# Altium PCB DIOT_temperature_logger.PcbDoc (part 3 of 8) (continued)
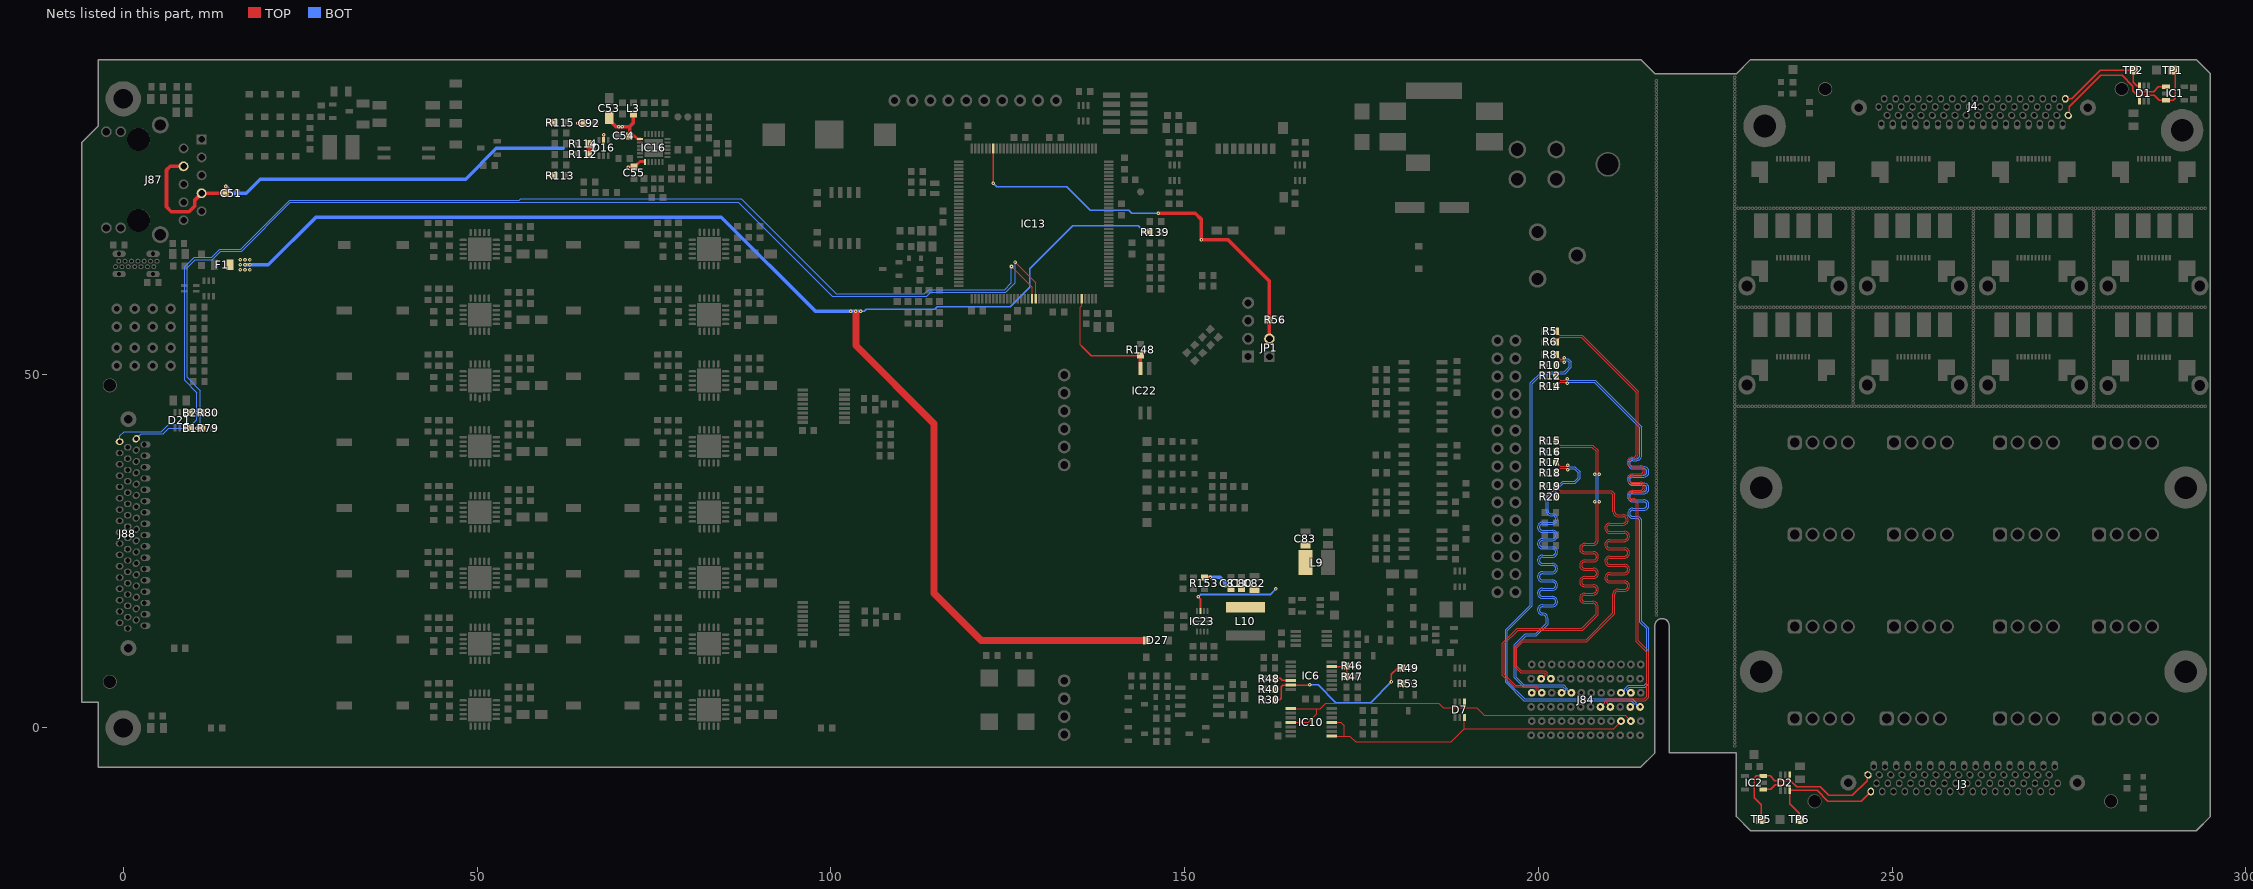
[diagram p5: the nets of this part, all layers, seen from the top]
## Part data (continued)
R143 R145 R150: library part R0603_82K_1%_0.1W_100PPM, "Resistor - 1%", Case=0603, Manufacturer=GENERIC, Manufacturer1 ComponentHeight=0.55mm, Manufacturer1 Example="NIC COMPONENT", Manufacturer1 Part Number=NRC06F8202TRF, Power=0.1W, Tolerance=±1%, Author="CERN DEM JLC", Component Type=Standard, CreateDate=03.12.2007, HelpURL=\\cern.ch\dfs\Applications\Altium\Datasheets\R0603_NIC_NRC.pdf, LatestRevisionDate=13.03.2008, Manufacturer Part Number=R0603_82K_1%_0.1W_100PPM, Mounted=Yes, Part Description="General Purpose Thick Film Chip Resistor", Part Number=R0603_82K_1%_0.1W_100PPM, Pin Count=2, PressFit=No, Sense=No, SMD=Yes, Socket=No, Status=Preferred, TC=±100ppm/°C
R147: library part R0805_10R_1%_0.125W_200PPM, "Resistor - 1%", Case=0805, Manufacturer=GENERIC, Manufacturer1 ComponentHeight=0.6mm, Manufacturer1 Example="NIC COMPONENT", Manufacturer1 Part Number=NRC10F10R0TRF, Power=0.125W, Tolerance=±1%, Author="CERN DEM JLC", Component Type=Standard, CreateDate=03.12.2007, HelpURL=\\cern.ch\dfs\Applications\Altium\Datasheets\R0805_NIC_NRC.pdf, LatestRevisionDate=24.06.2009, Manufacturer Part Number=R0805_10R_1%_0.125W_200PPM, Mounted=Yes, Part Description="General Purpose Thick Film Chip Resistor", Part Number=R0805_10R_1%_0.125W_200PPM, Pin Count=2, PressFit=No, Sense=No, SMD=Yes, Socket=No, Status=Preferred, TC=±200ppm/°C
R153: library part R0603_38K3_0.1%_0.063W_10PPM, "Resistor - 0.1%", Case=0603, Manufacturer=GENERIC, Manufacturer1 ComponentHeight=0.5mm, Manufacturer1 Example="TYCO HOLSWORTHY", Manufacturer1 Part Number=RN73C1J38K3BTDF, Power=0.063W, Tolerance=±0.1%, Author="CERN DEM JLC", Component Type=Standard, CreateDate=03.12.2007, HelpURL=\\cern.ch\dfs\Applications\Altium\Datasheets\R0603_Tyco_RN73.pdf, LatestRevisionDate=13.03.2008, Manufacturer Part Number=R0603_38K3_0.1%_0.063W_10PPM, Mounted=Yes, Part Description="Thin Film Chip Resistor", Part Number=R0603_38K3_0.1%_0.063W_10PPM, Pin Count=2, PressFit=No, Sense=No, SMD=Yes, Socket=No, Status="Not Recommended", TC=±10ppm
ST1: library part SCHROFF_PANEL_3U_4HP_Thermostat, "Schroff 3HP 4U EUROCARD Panel", Manufacturer=Schroff, Manufacturer Part Number=20818-017, Manufacturer Part Number 2=20848-664
SW1A SW1B SW1C SW1D SW1E SW1F SW1G SW1H SW1I SW1J SW1K SW1L SW1M SW1N SW1O SW1P: library part SW_OMRON_A6SN-1101, "1 Ways SPST DIP Switch", Manufacturer=OMRON, Manufacturer Part Number=A6SN-1101, Author="CERN DEM JLC", Component Type=Standard, ComponentHeight=4.6mm, CreateDate=25.02.2013, Family=Switch, HelpURL=\\cern.ch\dfs\Applications\Altium\Datasheets\SW_OMRON_A6SN-1101.pdf, LatestRevisionDate=25.02.2013, Mounted=Yes, PackageDescription="Body 4.48x7.5mm, 1 Way SPST Surface-Mounting Slide Switch With Flat Actuator (A6SN Series)", Part Description="1 Way SPST Surface-Mounting Slide Switch with Flat Actuator, Contact Rating 25mA 24VDC", Part Number=SW_OMRON_A6SN-1101, Pin Count=2, PressFit=No, Sense=No, SMD=Yes, Socket=No, Status=None
T1 T2 T4 T5 T6 T7: "N-CHANNEL MOSFET WITH DIODE", Case=SOT23-3, Manufacturer="ON SEMICONDUCTOR", Manufacturer Part Number=BSS138L, Author="CERN DEM JLC", Bonding=No, Component Type=Standard, ComponentHeight=1.11mm, CreateDate=23.03.2009, Device=BSS138LT1G, HelpURL=\\cern.ch\dfs\Applications\Altium\Datasheets\BSS138LT1G.pdf, LatestRevisionDate=25.05.2022, Mounted=Yes, PackageDescription="SOT23, 0.95mm Pitch; 3 Pin, 1.40mm W X 3.00mm L X 1.10mm H body, IPC Medium Density", Part Description="50V, 200mA N-Channel Enhancement Mode Field-Effect Transistor", Part Number=BSS138LT1G, Pin Count=3, PressFit=No, Sense=No, SMD=Yes, Socket=No
T3: "N-CHANNEL MOSFET WITH DIODE", Case=SOT23-3, Manufacturer="ON SEMICONDUCTOR", Author="CERN DEM BC", Bonding=No, Component Type=Standard, ComponentHeight=1.12mm, ComponentLink1Description="Package Drawing", ComponentLink1URL=\\cern.ch\dfs\Applications\Altium\Datasheets\FDN86246_Package.pdf, CreateDate=10.10.2019, Device=FDN86246, HelpURL=\\cern.ch\dfs\Applications\Altium\Datasheets\FDN86246.pdf, LatestRevisionDate=10.10.2019, Manufacturer Part Number=FDN86246, Mounted=Yes, PackageDescription="SOT23, 0.95mm Pitch; 3 Pin, 1.30mm W X 2.92mm L X 1.12mm H body, IPC Medium Density", Part Description="150V, 1.6A, N-Channel Power Trench® MOSFET", Part Number=FDN86246, Pin Count=3, PressFit=No, Sense=No, SMD=Yes, Socket=No
TP1 TP2 TP3 TP4 TP5 TP6 TP7 TP8 TP9 TP10 TP11 TP12 TP13 TP14 TP15 TP16: library part SMD_PAD_1.27X1.27MM, Author="CERN DEM JLC", Component Type="Standard (No BOM)", ComponentHeight=0mm, CreateDate=12.01.2008, Family="Test Point", HelpURL=Undefined, LatestRevisionDate=12.01.2008, Mounted=No, PackageDescription="1.27mm x 1.27mm PCB Copper Area (SMD Test Point)", Part Description="1.27mm x 1.27mm PCB Copper Area (SMD Test Point)", Part Number=SMD_PAD_1.27X1.27MM, Pin Count=1, Sense=No, SMD=Yes, Socket=No, Status=None
W1: library part SAMTEC_MTLW-110-07-L-S-250, "10 Mini Wire-Wrap Contact Strip Header", Manufacturer=SAMTEC, Manufacturer Part Number=MTLW-110-07-L-S-250, Author="CERN DEM JLC", ComponentHeight=7.87mm, Component Type=Standard, CreateDate=01.11.2017, Family="Header 10", HelpURL=\\cern.ch\dfs\Applications\Altium\Datasheets\SAMTEC_MTLW-110-07-L-S-250.pdf, LatestRevisionDate=01.11.2017, Mounted=Yes, Part Description="10 Contacts, Pitch 2.54mm, Single Row Through Mount Straight Header (Post Lead = 6.35mm, Tail Lead 3.05mm, Insulator 1.52mm)", Part Number=SAMTEC_MTLW-110-07-L-S-250, Pin Count=10, PressFit=No, Sense=No, SMD=No, Socket=No, Status=None
W2: library part SAMTEC_HTSW-104-23-L-S, "4 Mini Wire-Wrap Contact Strip Header", Manufacturer=SAMTEC, Manufacturer Part Number=HTSW-104-23-L-S, Author="CERN DEM JLC", Component Type=Standard, ComponentHeight=8.38mm, CreateDate=22.02.2018, Family="Header 4", HelpURL=\\cern.ch\dfs\Applications\Altium\Datasheets\SAMTEC_HTSW-104-23-L-S.pdf, LatestRevisionDate=22.02.2018, Mounted=Yes, Part Description="4 Contacts, Pitch 2.54mm, Single Row  Through Mount Straight Header (Post Lead 5.84mm, Tail Lead 2.92mm, Insulator 2.54mm)", Part Number=SAMTEC_HTSW-104-23-L-S, Pin Count=4, PressFit=No, Sense=No, SMD=No, Socket=No, Status=Preferred, Status Comment="High Temperature"

## Free pads (board coordinates)
  round 0.5 hole 0.2 unplated mask+0.015: BH(216.68,15.95) BH(216.68,16.45) BH(216.68,16.95) BH(216.68,17.45) BH(216.68,17.95) BH(216.68,18.45) BH(216.68,18.95) BH(216.68,19.45) BH(216.68,19.95) BH(216.68,20.45) BH(216.68,20.95) BH(216.68,21.45) BH(216.68,21.95) BH(216.68,22.45) BH(216.68,22.95) BH(216.68,23.45) BH(216.68,23.95) BH(216.68,24.45) BH(216.68,24.95) BH(216.68,25.45) BH(216.68,25.95) BH(216.68,26.45) BH(216.68,26.95) BH(216.68,27.45) BH(216.68,27.95) BH(216.68,28.45) BH(216.68,28.95) BH(216.68,29.45) BH(216.68,29.95) BH(216.68,30.45) BH(216.68,30.95) BH(216.68,31.45) BH(216.68,31.95) BH(216.68,32.45) BH(216.68,32.95) BH(216.68,33.45) BH(216.68,33.95) BH(216.68,34.45) BH(216.68,34.95) BH(216.68,35.45) BH(216.68,35.95) BH(216.68,36.45) BH(216.68,36.95) BH(216.68,37.45) BH(216.68,37.95) BH(216.68,38.45) BH(216.68,38.95) BH(216.68,39.45) BH(216.68,39.95) BH(216.68,40.45) BH(216.68,40.95) BH(216.68,41.45) BH(216.68,41.95) BH(216.68,42.45) BH(216.68,42.95) BH(216.68,43.45) BH(216.68,43.95) BH(216.68,44.45) BH(216.68,44.95) BH(216.68,45.45) BH(216.68,45.95) BH(216.68,46.45) BH(216.68,46.95) BH(216.68,47.45) BH(216.68,47.95) BH(216.68,48.45) BH(216.68,48.95) BH(216.68,49.45) BH(216.68,49.95) BH(216.68,50.45) BH(216.68,50.95) BH(216.68,51.45) BH(216.68,51.95) BH(216.68,52.45) BH(216.68,52.95) BH(216.68,53.45) BH(216.68,53.95) BH(216.68,54.45) BH(216.68,54.95) BH(216.68,55.45) BH(216.68,55.95) BH(216.68,56.45) BH(216.68,56.95) BH(216.68,57.45) BH(216.68,57.95) BH(216.68,58.45) BH(216.68,58.95) BH(216.68,59.45) BH(216.68,59.95) BH(216.68,60.45) BH(216.68,60.95) BH(216.68,61.45) BH(216.68,61.95) BH(216.68,62.45) BH(216.68,62.95) BH(216.68,63.45) BH(216.68,63.95) BH(216.68,64.45) BH(216.68,64.95) BH(216.68,65.45) BH(216.68,65.95) BH(216.68,66.45) BH(216.68,66.95) BH(216.68,67.45) BH(216.68,67.95) BH(216.68,68.45) BH(216.68,68.95) BH(216.68,69.45) BH(216.68,69.95) BH(216.68,70.45) BH(216.68,70.95) BH(216.68,71.45) BH(216.68,71.95) BH(216.68,72.45) BH(216.68,72.95) BH(216.68,73.45) BH(216.68,73.95) BH(216.68,74.45) BH(216.68,74.95) BH(216.68,75.45) BH(216.68,75.95) BH(216.68,76.45) BH(216.68,76.95) BH(216.68,77.45) BH(216.68,77.95) BH(216.68,78.45) BH(216.68,78.95) BH(216.68,79.45) BH(216.68,79.95) BH(216.68,80.45) BH(216.68,80.95) BH(216.68,81.45) BH(216.68,81.95) BH(216.68,82.45) BH(216.68,82.95) BH(216.68,83.45) BH(216.68,83.95) BH(216.68,84.45) BH(216.68,84.95) BH(216.68,85.45) BH(216.68,85.95) BH(216.68,86.45) BH(216.68,86.95) BH(216.68,87.45) BH(216.68,87.95) BH(216.68,88.45) BH(216.68,88.95) BH(216.68,89.45) BH(216.68,89.95) BH(216.68,90.45) BH(216.68,90.95) BH(216.68,91.45) BH(227.73,-2.565) BH(227.73,-2.065) BH(227.73,-1.565) BH(227.73,-1.065) BH(227.73,-0.565) BH(227.73,-0.065) BH(227.73,0.435) BH(227.73,0.935) BH(227.73,1.435) BH(227.73,1.935) BH(227.73,2.435) BH(227.73,2.935) BH(227.73,3.435) BH(227.73,3.935) BH(227.73,4.435) BH(227.73,4.935) BH(227.73,5.435) BH(227.73,5.935) BH(227.73,6.435) BH(227.73,6.935) BH(227.73,7.435) BH(227.73,7.935) BH(227.73,8.435) BH(227.73,8.935) BH(227.73,9.435) BH(227.73,9.935) BH(227.73,10.435) BH(227.73,10.935) BH(227.73,11.435) BH(227.73,11.935) BH(227.73,12.435) BH(227.73,12.935) BH(227.73,13.435) BH(227.73,13.935) BH(227.73,14.435) BH(227.73,14.935) BH(227.73,15.435) BH(227.73,15.935) BH(227.73,16.435) BH(227.73,16.935) BH(227.73,17.435) BH(227.73,17.935) BH(227.73,18.435) BH(227.73,18.935) BH(227.73,19.435) BH(227.73,19.935) BH(227.73,20.435) BH(227.73,20.935) BH(227.73,21.435) BH(227.73,21.935) BH(227.73,22.435) BH(227.73,22.935) BH(227.73,23.435) BH(227.73,23.935) BH(227.73,24.435) BH(227.73,24.935) BH(227.73,25.435) BH(227.73,25.935) BH(227.73,26.435) BH(227.73,26.935) BH(227.73,27.435) BH(227.73,27.935) BH(227.73,28.435) BH(227.73,28.935) BH(227.73,29.435) BH(227.73,29.935) BH(227.73,30.435) BH(227.73,30.935) BH(227.73,31.435) BH(227.73,31.935) BH(227.73,32.435) BH(227.73,32.935) BH(227.73,33.435) BH(227.73,33.935) BH(227.73,34.435) BH(227.73,34.935) BH(227.73,35.435) BH(227.73,35.935) BH(227.73,36.435) BH(227.73,36.935) BH(227.73,37.435) BH(227.73,37.935) BH(227.73,38.435) BH(227.73,38.935) BH(227.73,39.435) BH(227.73,39.935) BH(227.73,40.435) BH(227.73,40.935) BH(227.73,41.435) BH(227.73,41.935) BH(227.73,42.435) BH(227.73,42.935) BH(227.73,43.435) BH(227.73,43.935) BH(227.73,44.435) BH(227.73,44.935) BH(227.73,45.435) BH(227.73,45.935) BH(227.73,46.435) BH(227.73,46.935) BH(227.73,47.435) BH(227.73,47.935) BH(227.73,48.435) BH(227.73,48.935) BH(227.73,49.435) BH(227.73,49.935) BH(227.73,50.435) BH(227.73,50.935) BH(227.73,51.435) BH(227.73,51.935) BH(227.73,52.435) BH(227.73,52.935) BH(227.73,53.435) BH(227.73,53.935) BH(227.73,54.435) BH(227.73,54.935) BH(227.73,55.435) BH(227.73,55.935) BH(227.73,56.435) BH(227.73,56.935) BH(227.73,57.435) BH(227.73,57.935) BH(227.73,58.435) BH(227.73,58.935) BH(227.73,59.435) BH(227.73,59.935) BH(227.73,60.435) BH(227.73,60.935) BH(227.73,61.435) BH(227.73,61.935) BH(227.73,62.435) BH(227.73,62.935) BH(227.73,63.435) BH(227.73,63.935) BH(227.73,64.435) BH(227.73,64.935) BH(227.73,65.435) BH(227.73,65.935) BH(227.73,66.435) BH(227.73,66.935) BH(227.73,67.435) BH(227.73,67.935) BH(227.73,68.435) BH(227.73,68.935) BH(227.73,69.435) BH(227.73,69.935) BH(227.73,70.435) BH(227.73,70.935) BH(227.73,71.435) BH(227.73,71.935) BH(227.73,72.435) BH(227.73,72.935) BH(227.73,73.435) BH(227.73,73.935) BH(227.73,74.435) BH(227.73,74.935) BH(227.73,75.435) BH(227.73,75.935) BH(227.73,76.435) BH(227.73,76.935) BH(227.73,77.435) BH(227.73,77.935) BH(227.73,78.435) BH(227.73,78.935) BH(227.73,79.435) BH(227.73,79.935) BH(227.73,80.435) BH(227.73,80.935) BH(227.73,81.435) BH(227.73,81.935) BH(227.73,82.435) BH(227.73,82.935) BH(227.73,83.435) BH(227.73,83.935) BH(227.73,84.435) BH(227.73,84.935) BH(227.73,85.435) BH(227.73,85.935) BH(227.73,86.435) BH(227.73,86.935) BH(227.73,87.435) BH(227.73,87.935) BH(227.73,88.435) BH(227.73,88.935) BH(227.73,89.435) BH(227.73,89.935) BH(227.73,90.435) BH(227.73,90.935) BH(227.73,91.435) BH(227.73,91.935) BH(228.23,45.435) BH(228.23,59.435) BH(228.23,73.435) BH(228.73,45.435) BH(228.73,59.435) BH(228.73,73.435) BH(229.23,45.435) BH(229.23,59.435) BH(229.23,73.435) BH(229.73,45.435) BH(229.73,59.435) BH(229.73,73.435) BH(230.23,45.435) BH(230.23,59.435) BH(230.23,73.435) BH(230.73,45.435) BH(230.73,59.435) BH(230.73,73.435) BH(231.23,45.435) BH(231.23,59.435) BH(231.23,73.435) BH(231.73,45.435) BH(231.73,59.435) BH(231.73,73.435) BH(232.23,45.435) BH(232.23,59.435) BH(232.23,73.435) BH(232.73,45.435) BH(232.73,59.435) BH(232.73,73.435) BH(233.23,45.435) BH(233.23,59.435) BH(233.23,73.435) BH(233.73,45.435) BH(233.73,59.435) BH(233.73,73.435) BH(234.23,45.435) BH(234.23,59.435) BH(234.23,73.435) BH(234.73,45.435) BH(234.73,59.435) BH(234.73,73.435) BH(235.23,45.435) BH(235.23,59.435) BH(235.23,73.435) BH(235.73,45.435) BH(235.73,59.435) BH(235.73,73.435) BH(236.23,45.435) BH(236.23,59.435) BH(236.23,73.435) BH(236.73,45.435) BH(236.73,59.435) BH(236.73,73.435) BH(237.23,45.435) BH(237.23,59.435) BH(237.23,73.435) BH(237.73,45.435) BH(237.73,59.435) BH(237.73,73.435) BH(238.23,45.435) BH(238.23,59.435) BH(238.23,73.435) BH(238.73,45.435) BH(238.73,59.435) BH(238.73,73.435) BH(239.23,45.435) BH(239.23,59.435) BH(239.23,73.435) BH(239.73,45.435) BH(239.73,59.435) BH(239.73,73.435) BH(240.23,45.435) BH(240.23,59.435) BH(240.23,73.435) BH(240.73,45.435) BH(240.73,59.435) BH(240.73,73.435) BH(241.23,45.435) BH(241.23,59.435) BH(241.23,73.435) BH(241.73,45.435) BH(241.73,59.435) BH(241.73,73.435) BH(242.23,45.435) BH(242.23,59.435) BH(242.23,73.435) BH(242.73,45.435) BH(242.73,59.435) BH(242.73,73.435) BH(243.23,45.435) BH(243.23,59.435) BH(243.23,73.435) BH(243.73,45.435) BH(243.73,59.435) BH(243.73,73.435) BH(244.23,45.435) BH(244.23,59.435) BH(244.23,73.435) BH(244.465,45.935) BH(244.465,46.435) BH(244.465,46.935) BH(244.465,47.435) BH(244.465,47.935) BH(244.465,48.435) BH(244.465,48.935) BH(244.465,49.435) BH(244.465,49.935) BH(244.465,50.435) BH(244.465,50.935) BH(244.465,51.435) BH(244.465,51.935) BH(244.465,52.435) BH(244.465,52.935) BH(244.465,53.435) BH(244.465,53.935) BH(244.465,54.435) BH(244.465,54.935) BH(244.465,55.435) BH(244.465,55.935) BH(244.465,56.435) BH(244.465,56.935) BH(244.465,57.435) BH(244.465,57.935) BH(244.465,58.435) BH(244.465,58.935) BH(244.465,59.935) BH(244.465,60.435) BH(244.465,60.935) BH(244.465,61.435) BH(244.465,61.935) BH(244.465,62.435) BH(244.465,62.935) BH(244.465,63.435) BH(244.465,63.935) BH(244.465,64.435) BH(244.465,64.935) BH(244.465,65.435) BH(244.465,65.935) BH(244.465,66.435) BH(244.465,66.935) BH(244.465,67.435) BH(244.465,67.935) BH(244.465,68.435) BH(244.465,68.935) BH(244.465,69.435) BH(244.465,69.935) BH(244.465,70.435) BH(244.465,70.935) BH(244.465,71.435) BH(244.465,71.935) BH(244.465,72.435) BH(244.465,72.935) BH(244.73,45.435) BH(244.73,59.435) BH(244.73,73.435) BH(245.23,45.435) BH(245.23,59.435) BH(245.23,73.435) BH(245.73,45.435) BH(245.73,59.435) BH(245.73,73.435) BH(246.23,45.435) BH(246.23,59.435) BH(246.23,73.435) BH(246.73,45.435) BH(246.73,59.435) BH(246.73,73.435) BH(247.23,45.435) BH(247.23,59.435) BH(247.23,73.435) BH(247.73,45.435) BH(247.73,59.435) BH(247.73,73.435) BH(248.23,45.435) BH(248.23,59.435) BH(248.23,73.435) BH(248.73,45.435) BH(248.73,59.435) BH(248.73,73.435) BH(249.23,45.435) BH(249.23,59.435) BH(249.23,73.435) BH(249.73,45.435) BH(249.73,59.435) BH(249.73,73.435) BH(250.23,45.435) BH(250.23,59.435) BH(250.23,73.435) BH(250.73,45.435) BH(250.73,59.435) BH(250.73,73.435) BH(251.23,45.435) BH(251.23,59.435) BH(251.23,73.435) BH(251.73,45.435) BH(251.73,59.435) BH(251.73,73.435) BH(252.23,45.435) BH(252.23,59.435) BH(252.23,73.435) BH(252.73,45.435) BH(252.73,59.435) BH(252.73,73.435) BH(253.23,45.435) BH(253.23,59.435) BH(253.23,73.435) BH(253.73,45.435) BH(253.73,59.435) BH(253.73,73.435) BH(254.23,45.435) BH(254.23,59.435) BH(254.23,73.435) BH(254.73,45.435) BH(254.73,59.435) BH(254.73,73.435) BH(255.23,45.435) BH(255.23,59.435) BH(255.23,73.435) BH(255.73,45.435) BH(255.73,59.435) BH(255.73,73.435) BH(256.23,45.435) BH(256.23,59.435) BH(256.23,73.435) BH(256.73,45.435) BH(256.73,59.435) BH(256.73,73.435) BH(257.23,45.435) BH(257.23,59.435) BH(257.23,73.435) BH(257.73,45.435) BH(257.73,59.435) BH(257.73,73.435) BH(258.23,45.435) BH(258.23,59.435) BH(258.23,73.435) BH(258.73,45.435) BH(258.73,59.435) BH(258.73,73.435) BH(259.23,45.435) BH(259.23,59.435) BH(259.23,73.435) BH(259.73,45.435) BH(259.73,59.435) BH(259.73,73.435) BH(260.23,45.435) BH(260.23,59.435) BH(260.23,73.435) BH(260.73,45.435) BH(260.73,59.435) BH(260.73,73.435) BH(261.23,45.435) BH(261.23,59.435) BH(261.23,73.435) BH(261.465,45.935) BH(261.465,46.435) BH(261.465,46.935) BH(261.465,47.435) BH(261.465,47.935) BH(261.465,48.435) BH(261.465,48.935) BH(261.465,49.435) BH(261.465,49.935) BH(261.465,50.435) BH(261.465,50.935) BH(261.465,51.435) BH(261.465,51.935) BH(261.465,52.435) BH(261.465,52.935) BH(261.465,53.435) BH(261.465,53.935) BH(261.465,54.435) BH(261.465,54.935) BH(261.465,55.435) BH(261.465,55.935) BH(261.465,56.435) BH(261.465,56.935) BH(261.465,57.435) BH(261.465,57.935) BH(261.465,58.435) BH(261.465,58.935) BH(261.465,59.935) BH(261.465,60.435) BH(261.465,60.935) BH(261.465,61.435) BH(261.465,61.935) BH(261.465,62.435) BH(261.465,62.935) BH(261.465,63.435) BH(261.465,63.935) BH(261.465,64.435) BH(261.465,64.935) BH(261.465,65.435) BH(261.465,65.935) BH(261.465,66.435) BH(261.465,66.935) BH(261.465,67.435) BH(261.465,67.935) BH(261.465,68.435) BH(261.465,68.935) BH(261.465,69.435) BH(261.465,69.935) BH(261.465,70.435) BH(261.465,70.935) BH(261.465,71.435) BH(261.465,71.935) BH(261.465,72.435) BH(261.465,72.935) BH(261.73,45.435) BH(261.73,59.435) BH(261.73,73.435) BH(262.23,45.435) BH(262.23,59.435) BH(262.23,73.435) BH(262.73,45.435) BH(262.73,59.435) BH(262.73,73.435) BH(263.23,45.435) BH(263.23,59.435) BH(263.23,73.435) BH(263.73,45.435) BH(263.73,59.435) BH(263.73,73.435) BH(264.23,45.435) BH(264.23,59.435) BH(264.23,73.435) BH(264.73,45.435) BH(264.73,59.435) BH(264.73,73.435) BH(265.23,45.435) BH(265.23,59.435) BH(265.23,73.435) BH(265.73,45.435) BH(265.73,59.435) BH(265.73,73.435) BH(266.23,45.435) BH(266.23,59.435) BH(266.23,73.435) BH(266.73,45.435) BH(266.73,59.435) BH(266.73,73.435) BH(267.23,45.435) BH(267.23,59.435) BH(267.23,73.435) BH(267.73,45.435) BH(267.73,59.435) BH(267.73,73.435) BH(268.23,45.435) BH(268.23,59.435) BH(268.23,73.435) BH(268.73,45.435) BH(268.73,59.435) BH(268.73,73.435) BH(269.23,45.435) BH(269.23,59.435) BH(269.23,73.435) BH(269.73,45.435) BH(269.73,59.435) BH(269.73,73.435) BH(270.23,45.435) BH(270.23,59.435) BH(270.23,73.435) BH(270.73,45.435) BH(270.73,59.435) BH(270.73,73.435) BH(271.23,45.435) BH(271.23,59.435) BH(271.23,73.435) BH(271.73,45.435) BH(271.73,59.435) BH(271.73,73.435) BH(272.23,45.435) BH(272.23,59.435) BH(272.23,73.435) BH(272.73,45.435) BH(272.73,59.435) BH(272.73,73.435) BH(273.23,45.435) BH(273.23,59.435) BH(273.23,73.435) BH(273.73,45.435) BH(273.73,59.435) BH(273.73,73.435) BH(274.23,45.435) BH(274.23,59.435) BH(274.23,73.435) BH(274.73,45.435) BH(274.73,59.435) BH(274.73,73.435) BH(275.23,45.435) BH(275.23,59.435) BH(275.23,73.435) BH(275.73,45.435) BH(275.73,59.435) BH(275.73,73.435) BH(276.23,45.435) BH(276.23,59.435) BH(276.23,73.435) BH(276.73,45.435) BH(276.73,59.435) BH(276.73,73.435) BH(277.23,45.435) BH(277.23,59.435) BH(277.23,73.435) BH(277.73,45.435) BH(277.73,59.435) BH(277.73,73.435) BH(278.23,45.435) BH(278.23,59.435) BH(278.23,73.435) BH(278.465,45.935) BH(278.465,46.435) BH(278.465,46.935) BH(278.465,47.435) BH(278.465,47.935) BH(278.465,48.435) BH(278.465,48.935) BH(278.465,49.435) BH(278.465,49.935) BH(278.465,50.435) BH(278.465,50.935) BH(278.465,51.435) BH(278.465,51.935) BH(278.465,52.435) BH(278.465,52.935) BH(278.465,53.435) BH(278.465,53.935) BH(278.465,54.435) BH(278.465,54.935) BH(278.465,55.435) BH(278.465,55.935) BH(278.465,56.435) BH(278.465,56.935) BH(278.465,57.435) BH(278.465,57.935) BH(278.465,58.435) BH(278.465,58.935) BH(278.465,59.935) BH(278.465,60.435) BH(278.465,60.935) BH(278.465,61.435) BH(278.465,61.935) BH(278.465,62.435) BH(278.465,62.935) BH(278.465,63.435) BH(278.465,63.935) BH(278.465,64.435) BH(278.465,64.935) BH(278.465,65.435) BH(278.465,65.935) BH(278.465,66.435) BH(278.465,66.935) BH(278.465,67.435) BH(278.465,67.935) BH(278.465,68.435) BH(278.465,68.935) BH(278.465,69.435) BH(278.465,69.935) BH(278.465,70.435) BH(278.465,70.935) BH(278.465,71.435) BH(278.465,71.935) BH(278.465,72.435) BH(278.465,72.935) BH(278.73,45.435) BH(278.73,59.435) BH(278.73,73.435) BH(279.23,45.435) BH(279.23,59.435) BH(279.23,73.435) BH(279.73,45.435) BH(279.73,59.435) BH(279.73,73.435) BH(280.23,45.435) BH(280.23,59.435) BH(280.23,73.435) BH(280.73,45.435) BH(280.73,59.435) BH(280.73,73.435) BH(281.23,45.435) BH(281.23,59.435) BH(281.23,73.435) BH(281.73,45.435) BH(281.73,59.435) BH(281.73,73.435) BH(282.23,45.435) BH(282.23,59.435) BH(282.23,73.435) BH(282.73,45.435) BH(282.73,59.435) BH(282.73,73.435) BH(283.23,45.435) BH(283.23,59.435) BH(283.23,73.435) BH(283.73,45.435) BH(283.73,59.435) BH(283.73,73.435) BH(284.23,45.435) BH(284.23,59.435) BH(284.23,73.435) BH(284.73,45.435) BH(284.73,59.435) BH(284.73,73.435) BH(285.23,45.435) BH(285.23,59.435) BH(285.23,73.435) BH(285.73,45.435) BH(285.73,59.435) BH(285.73,73.435) BH(286.23,45.435) BH(286.23,59.435) BH(286.23,73.435) BH(286.73,45.435) BH(286.73,59.435) BH(286.73,73.435) BH(287.23,45.435) BH(287.23,59.435) BH(287.23,73.435) BH(287.73,45.435) BH(287.73,59.435) BH(287.73,73.435) BH(288.23,45.435) BH(288.23,59.435) BH(288.23,73.435) BH(288.73,45.435) BH(288.73,59.435) BH(288.73,73.435) BH(289.23,45.435) BH(289.23,59.435) BH(289.23,73.435) BH(289.73,45.435) BH(289.73,59.435) BH(289.73,73.435) BH(290.23,45.435) BH(290.23,59.435) BH(290.23,73.435) BH(290.73,45.435) BH(290.73,59.435) BH(290.73,73.435) BH(291.23,45.435) BH(291.23,59.435) BH(291.23,73.435) BH(291.73,45.435) BH(291.73,59.435) BH(291.73,73.435) BH(292.23,45.435) BH(292.23,59.435) BH(292.23,73.435) BH(292.73,45.435) BH(292.73,59.435) BH(292.73,73.435) BH(293.23,45.435) BH(293.23,59.435) BH(293.23,73.435) BH(293.73,45.435) BH(293.73,59.435) BH(293.73,73.435) BH(294.23,45.435) BH(294.23,59.435) BH(294.23,73.435)
  oval 2.4x2.7 hole 1.5: MH(229.48,48.45) MH(229.48,62.45) MH(242.48,62.45) MH(246.48,48.45) MH(246.48,62.45) MH(259.48,48.45) MH(259.48,62.45) MH(263.48,48.45) MH(263.48,62.45) MH(276.48,48.45) MH(276.48,62.45) MH(280.48,48.375) MH(280.48,62.45) MH(293.48,48.375) MH(293.48,62.45)
  round 6 hole 3.2: MH(231.48,7.95) MH(231.48,33.95) MH(231.98,85.05) MH(290.98,84.45) MH(291.48,33.95) MH(291.48,7.95)

## Via types
v1: diameter 0.5, hole 0.2, TOP to BOT, tented both sides, 913 vias
v2: diameter 0.5, hole 0.2, TOP to BOT, 98 vias
v3: diameter 0.6, hole 0.3, TOP to BOT, tented both sides, 84 vias

## Nets (pads, with @x,y where several pads share a name; then routed paths per layer and width w, separated by ;. In a path a pad name is that pad's centre, name@x,y a point inside that pad or via, vN(x,y) a via of type N, cw(c..) or ccw(c..) an arc to the next point about the centre after c; other vN are vias at no path point)
3V3: C80.2 C81.2 C82.2 C83.2 IC23.6 L9.1 L10.2 R153.2 | length 17.3
  TOP w0.254: v1(151.93,18.5) 152.23,18.2 IC23.6@152.23,16.5
  TOP w0.5: R153.2@152.78,21.25 v1(153.63,21.25)
  BOT w0.254: v1(151.93,18.5) 152.255,18.825 162.08,18.825 v1(162.88,19.625)
  BOT w0.5: v1(153.63,21.25) 155.005,21.25 155.705,20.55 v1(155.705,20)
5V0_USB: D27.2 F1.1 R139.2 | length 219.9
  TOP w0.5: v1(144.33,70.05) R139.2@145.08,70.05
  TOP w1: 103.53,58.575 103.53,54.025 114.58,42.975 114.58,19.025 121.255,12.35 D27.2@144.505,12.35
  BOT w0.2: v1(104.23,58.85) 104.705,58.85 104.98,59.125 114.655,59.125 115.03,59.5 125.33,59.5 128.105,62.275 128.105,64.85 134.205,70.95 143.43,70.95 v1(144.33,70.05)
  BOT w0.5: v1(17.205,65.45) v1(17.905,65.45) ; v1@17.93,65.425 20.48,65.425 27.23,72.175 84.505,72.175 97.83,58.85 v1(102.83,58.85) v1(103.53,58.85) v1(104.23,58.85)
  other v1: 16.505,64.75 17.205,64.75 17.905,64.75 16.505,65.45 16.505,66.15 17.205,66.15 17.905,66.15
AFE_SCL: B2.1 D21.1 IC13.54 J88.68 R80.2 | length 172.6
  TOP w0.152: v1(125.53,65.2) 128.43,62.3 IC13.54@128.43,60.625
  TOP w0.203: D21.1@8.63,44.55 B2.1@9.48,44.55 v1(10.38,44.55) R80.2@11.18,44.55
  BOT w0.152: J88.68@-0.52,40.445 -0.495,40.47 -0.495,41.246 0.135,41.875 5.38,41.875 6.43,42.925 9.755,42.925 10.38,43.55 v1(10.38,44.55) 10.38,47.391 8.674,49.097 8.674,65.169 10.005,66.5 12.505,66.5 13.655,67.65 16.6,67.65 23.5,74.55 55.958,74.55 56.158,74.75 87.33,74.75 100.755,61.325 113.205,61.325 113.805,61.925 124.555,61.925 125.53,62.9 v1(125.53,65.2)
AFE_SCL1: D2.3 IC2.1 J3.68 TP6.1 | length 22
  TOP w0.2: IC2.1@231.78,-8.7 232.83,-8.7 233.48,-8.05 235.413,-8.05 235.53,-8.167 D2.3@235.53,-8.85 ; TP6.1@236.88,-12.95 236.88,-12.05 235.53,-10.7 D2.3@235.53,-8.85 ; J3.68@246.985,-9 245.634,-10.35 240.886,-10.35 239.386,-8.85 D2.3@235.53,-8.85
AFE_SCL2: D1.3 IC1.1 J4.68 TP2.1 | length 18.9
  TOP w0.2: J4.68@274.475,88.9 275.355,88.9 279.405,92.95 TP2.1@284.08,92.95 284.08,91.225 284.555,90.75 D1.3@284.93,90.75 284.93,90.025 285.055,89.9 286.929,89.9 287.63,90.6 IC1.1@288.68,90.6
AFE_SDA: B1.1 D21.6 IC13.55 J88.34 R79.2 | length 171.8
  TOP w0.152: D21.6@8.63,42.35 B1.1@9.48,42.35 R79.2@11.18,42.35 ; v1(126.03,65.775) 128.93,62.875 IC13.55@128.93,60.625
  BOT w0.152: J88.34@1.83,40.845 2.533,41.548 5.616,41.548 6.418,42.35 v1(10.38,42.35) 10.908,42.878 10.908,47.634 9.03,49.512 9.03,65.025 10.18,66.175 12.58,66.175 13.766,67.361 16.716,67.361 23.605,74.25 86.905,74.25 100.18,60.975 113.53,60.975 114.13,61.575 124.73,61.575 126.03,62.875 v1(126.03,65.775)
AFE_SDA1: D2.4 IC2.3 J3.34 TP5.1 | length 26.1
  TOP w0.2: TP5.1@231.48,-12.95 231.48,-10.875 230.48,-9.875 230.48,-7.125 230.805,-6.8 IC2.3@231.78,-6.8 232.73,-6.8 233.38,-7.45 235.413,-7.45 ; D2.4@235.53,-6.65 235.53,-7.333 235.413,-7.45 ; J3.34@246.585,-6.65 246.455,-6.779 246.455,-7.475 244.38,-9.55 241.03,-9.55 239.805,-8.325 236.48,-8.325 235.605,-7.45 235.413,-7.45
AFE_SDA2: D1.4 IC1.3 J4.34 TP1.1 | length 24.8
  TOP w0.2: J4.34@274.875,86.55 275.004,86.679 275.004,87.749 279.455,92.2 282.48,92.2 283.98,90.7 283.98,90.05 284.63,89.4 284.93,89.4 ; D1.4@284.93,88.55 284.93,89.4 ; TP1.1@289.98,92.85 289.98,88.95 289.73,88.7 IC1.3@288.68,88.7 287.73,88.7 287.03,89.4 284.93,89.4
AT_EVENT: IC13.68 IC22.4 R148.1 | length 17.5
  TOP w0.171: 135.43,53.959 135.255,54.134 135.255,59.475 135.43,59.65 IC13.68@135.43,60.625
  TOP w0.2: 135.43,53.959 136.774,52.615 R148.1@143.745,52.615
  TOP w0.5: IC22.4@143.745,50.8 R148.1@143.745,52.615
AVDDT_PHY: C51.2 C53.1 C54.2 C55.2 C92.2 D16.5 IC16.1 IC16.19 J87.4 J87.7 L3.2 R112.2 R113.2 R114.2 R115.2 | length 85.6
  TOP w0.3: D16.5@67.886,83.042 v1(67.886,83.792)
  TOP w0.4: C54.2@71.555,83.65 72.23,83.65 72.68,83.2 IC16.19@73.08,83.2 ; C55.2@72.575,79.595 73.014,80.034 IC16.1@73.655,80.034
  TOP w0.5: J87.7@8.53,79.355 6.635,79.355 6.111,78.831 6.111,73.619 6.803,72.927 9.282,72.927 10.13,73.775 10.13,74.605 J87.4@11.07,75.545 11.075,75.55 C51.2@14.455,75.55 v1(14.455,76.525) ; v1(60.23,78.05) R113.2@60.98,78.05 ; v1(60.23,85.55) R115.2@60.98,85.55 ; v1(64.23,85.45) C92.2@65.08,85.45 ; C53.1@68.68,86.25 68.68,85.875 69.58,84.975 v1(70.005,84.975) v1(70.53,84.975) 71.555,84.975 ; v1(71.355,79.25) C55.2@72.18,79.25 ; C54.2@71.555,83.8 71.555,84.975 ; L3.2@72.055,86.75 72.055,85.475 71.555,84.975
  TOP w0.6: R112.2@65.78,81.05 R114.2@65.78,82.55 ; 65.78,81.8 v1(66.505,81.8)
  BOT w0.5: v1(14.455,76.525) 15.408,75.572 17.402,75.572 19.38,77.55 48.38,77.55 52.73,81.9 62.155,81.9
BOOT0: IC13.138 JP1.2 R56.2 | length 59.5
  TOP w0.2: v1(122.93,76.975) IC13.138@122.93,81.875
  TOP w0.5: v1(146.28,72.725) 151.505,72.725 152.38,71.85 v1(152.38,69) 156.13,69 161.98,63.15 R56.2@161.98,57.65 JP1.2@161.98,54.99
  BOT w0.2: v1(122.93,76.975) 123.455,76.45 133.355,76.45 136.63,73.175 142.078,73.175 142.528,72.725 v1(146.28,72.725)
BP_I2C.SCL: D7.1 IC10.8 IC10.11 J84.B2 | length 55.3
  TOP w0.152: IC10.11@164.98,0.775 167.505,0.775 168.705,1.975 168.705,2.725 ; IC10.8@164.98,2.725 168.705,2.725 ; D7.1@189.53,3.65 189.53,2.825 ; J84.B2@213.119,0.95 212.269,1.8 209.425,1.8 209.421,1.796 196.314,1.796 196.31,1.8 192.33,1.8 191.305,2.825 189.53,2.825 ; 168.705,2.725 169.18,2.725 169.93,3.475 185.93,3.475 186.58,2.825 189.53,2.825
BP_I2C.SDA: D7.6 IC10.1 IC10.4 J84.C2 | length 47.6
  TOP w0.152: IC10.1@170.78,-1.175 172.555,-1.175 ; IC10.4@170.78,0.775 172.08,0.775 172.555,0.3 172.555,-1.175 ; D7.6@189.53,1.45 189.53,-0.154 ; J84.C2@211.719,0.95 210.615,-0.154 189.53,-0.154 ; 172.555,-1.175 173.355,-1.175 174.18,-2 187.684,-2 189.53,-0.154
BP_IO.GA0: IC6.6 R46.2 R47.2 | length 3.5
  TOP w0.2: IC6.6@170.78,8.65 172.88,8.65 R47.2@172.88,7.25
BP_IO.GA1: IC6.12 R40.2 R48.2 | length 3.7
  TOP w0.2: R40.2@162.78,5.65 R48.2@162.78,6.975 ; R48.2@162.78,7.05 R48.2@162.78,6.975 ; IC6.12@164.98,6.7 163.78,6.7 163.505,6.975 R48.2@162.78,6.975
BP_IO.GA2: IC6.13 R30.2 R49.2 | length 23.5
  TOP w0.2: R30.2@162.78,3.95 163.455,3.95 163.655,4.15 163.655,5.825 163.88,6.05 IC6.13@164.98,6.05 167.655,6.05 v1(167.68,6.075) ; v1(179.23,6.5) 179.23,7.575 180.105,8.45 R49.2@180.78,8.45
  BOT w0.2: v1(167.68,6.075) 168.855,6.075 171.355,3.575 176.305,3.575 v1(179.23,6.5)
BP_IO.GA3: R53.2
BP_IO.LVDS0_N: J84.E3 R6.1 | length 74.3
  TOP w0.127: R6.1@202.48,54.55 202.48,54.6 203.051,55.171 206.084,55.171 213.801,47.454 213.801,40.375 213.801,38.664 cw(c213.356,38.664) 213.356,38.219 213.262,38.219 ccw(c213.262,37.495) 213.262,36.771 214.372,36.771 cw(c214.372,36.327) 214.372,35.882 213.262,35.882 ccw(c213.262,35.158) 213.262,34.435 214.372,34.435 cw(c214.372,33.99) 214.372,33.546 213.262,33.546 ccw(c213.262,32.822) 213.262,32.098 213.356,32.098 cw(c213.356,31.653) 213.801,31.653 213.801,31.45 213.801,12.179 215.305,10.675 215.305,4.445 214.96,4.1 209.714,4.1 209.379,3.766 209.379,3.51 J84.E3@208.819,2.95
BP_IO.LVDS0_P: J84.D3 R5.1 | length 74.8
  TOP w0.127: R5.1@202.48,56.05 202.48,56 203.03,55.45 206.2,55.45 214.08,47.57 214.08,40.375 214.08,38.664 cw(c213.356,38.664) 213.356,37.94 213.262,37.94 ccw(c213.262,37.495) 213.262,37.051 214.372,37.051 cw(c214.372,36.327) 214.372,35.603 213.262,35.603 ccw(c213.262,35.158) 213.262,34.714 214.372,34.714 cw(c214.372,33.99) 214.372,33.266 213.262,33.266 ccw(c213.262,32.822) 213.262,32.377 213.356,32.377 cw(c213.356,31.653) 214.08,31.653 214.08,31.45 214.08,12.295 215.584,10.791 215.584,4.329 215.076,3.821 209.829,3.821 209.659,3.65 209.659,3.51 J84.D3@210.219,2.95
BP_IO.LVDS1_N: J84.B3 R10.1 | length 73.4
  TOP w0.127: R10.1@202.48,51.25 203.076,51.846 203.459,51.846 v1(203.63,51.675)
  BOT w0.127: v1(203.63,51.675) 203.717,51.675 203.891,51.849 204.131,51.849 204.346,51.634 204.346,51.041 203.659,50.354 200.454,50.354 198.841,48.741 198.841,17.336 195.351,13.846 195.351,6.409 197.935,3.825 213.141,3.825 213.529,3.437 213.529,3.332 213.147,2.95 J84.B3@213.019,2.95
BP_IO.LVDS1_P: J84.A3 R8.1 | length 74
  TOP w0.127: R8.1@202.48,52.75 203.105,52.125 203.421,52.125 203.437,52.141 203.63,52.141 v1(203.63,52.302)
  BOT w0.127: v1(203.63,52.302) 203.717,52.302 203.891,52.128 204.247,52.128 204.625,51.75 204.625,50.925 203.775,50.075 200.57,50.075 199.12,48.625 199.12,17.22 195.63,13.73 195.63,6.525 198.051,4.104 213.257,4.104 213.808,3.553 213.808,3.332 214.19,2.95 J84.A3@214.419,2.95
BP_IO.LVDS2_N: J84.C4 R14.1 | length 71.6
  TOP w0.127: R14.1@202.48,48.25 203.09,48.86 v1@203.952,48.86 ; v1@203.952,48.861 204.055,48.861 v1(204.055,48.7)
  BOT w0.127: v1(204.055,48.7) 204.142,48.7 204.316,48.874 207.901,48.874 214.33,42.445 214.33,40.475 214.33,38.5 cw(c213.886,38.5) 213.886,38.056 213.341,38.056 ccw(c213.341,37.332) 213.341,36.608 214.902,36.608 cw(c214.902,36.164) 214.902,35.719 213.341,35.719 ccw(c213.341,34.995) 213.341,34.271 214.902,34.271 cw(c214.902,33.827) 214.902,33.382 213.341,33.382 ccw(c213.341,32.658) 213.341,31.935 214.902,31.935 cw(c214.902,31.49) 214.902,31.046 213.341,31.046 ccw(c213.341,30.322) 213.341,29.598 213.886,29.598 cw(c213.886,29.153) 214.33,29.153 214.33,28.95 214.33,14.95 215.305,13.975 215.305,6.345 214.974,6.014 212.69,6.014 212.229,5.553 212.229,5.332 211.847,4.95 J84.C4@211.719,4.95
BP_IO.LVDS2_P: J84.B4 R12.1 | length 72.1
  TOP w0.127: R12.1@202.48,49.75 203.09,49.14 203.836,49.14 203.862,49.166 203.968,49.166 204.055,49.253 v1(204.055,49.327)
  BOT w0.127: v1(204.055,49.327) 204.142,49.327 204.316,49.153 208.017,49.153 214.609,42.561 214.609,40.475 214.609,38.5 cw(c213.886,38.5) 213.886,37.777 213.341,37.777 ccw(c213.341,37.332) 213.341,36.888 214.902,36.888 cw(c214.902,36.164) 214.902,35.44 213.341,35.44 ccw(c213.341,34.995) 213.341,34.551 214.902,34.551 cw(c214.902,33.827) 214.902,33.103 213.341,33.103 ccw(c213.341,32.658) 213.341,32.214 214.902,32.214 cw(c214.902,31.49) 214.902,30.766 213.341,30.766 ccw(c213.341,30.322) 213.341,29.877 213.886,29.877 cw(c213.886,29.153) 214.609,29.153 214.609,28.95 214.609,15.066 215.584,14.091 215.584,6.229 215.089,5.734 212.806,5.734 212.508,5.437 212.508,5.332 212.89,4.95 J84.B4@213.119,4.95
BP_IO.LVDS3_N: J84.L4 R16.1 | length 70.5
  TOP w0.127: J84.L4@199.119,4.95 199.354,4.95 199.679,5.275 199.679,5.581 199.489,5.771 196.589,5.771 194.901,7.459 194.901,11.966 197.014,14.079 205.75,14.079 206.139,14.079 208.151,16.091 208.151,17.16 ccw(c207.706,17.16) 207.706,17.604 206.537,17.604 cw(c206.537,18.328) 206.537,19.052 207.767,19.052 ccw(c207.767,19.496) 207.767,19.941 206.537,19.941 cw(c206.537,20.665) 206.537,21.389 207.767,21.389 ccw(c207.767,21.833) 207.767,22.278 206.537,22.278 cw(c206.537,23.002) 206.537,23.725 207.767,23.725 ccw(c207.767,24.17) 207.767,24.614 206.537,24.614 cw(c206.537,25.338) 206.537,26.062 207.706,26.062 ccw(c207.706,26.507) 208.151,26.507 208.151,27.765 208.151,31.801 v1(207.977,31.975) ; R16.1@202.48,39.05 203.101,39.671 207.56,39.671 208.151,39.08 208.151,35.999 v1(207.977,35.825)
  BOT w0.127: v1(207.977,31.975) 208.151,32.149 208.151,35.675 208.001,35.825 v1(207.977,35.825)
BP_IO.LVDS3_P: J84.K4 R15.1 | length 71
  TOP w0.127: J84.K4@200.519,4.95 200.284,4.95 199.959,5.275 199.959,5.696 199.605,6.05 196.705,6.05 195.18,7.575 195.18,11.85 197.13,13.8 206.255,13.8 206.49,14.035 208.43,15.975 208.43,17.16 ccw(c207.706,17.16) 207.706,17.883 206.537,17.883 cw(c206.537,18.328) 206.537,18.772 207.767,18.772 ccw(c207.767,19.496) 207.767,20.22 206.537,20.22 cw(c206.537,20.665) 206.537,21.109 207.767,21.109 ccw(c207.767,21.833) 207.767,22.557 206.537,22.557 cw(c206.537,23.002) 206.537,23.446 207.767,23.446 ccw(c207.767,24.17) 207.767,24.894 206.537,24.894 cw(c206.537,25.338) 206.537,25.783 207.706,25.783 ccw(c207.706,26.507) 208.43,26.507 208.43,27.765 208.43,31.801 v1(208.604,31.975) ; R15.1@202.48,40.55 203.08,39.95 207.676,39.95 208.43,39.196 208.43,35.999 v1(208.604,35.825)
  BOT w0.127: v1(208.604,31.975) 208.43,32.149 208.43,35.675 208.58,35.825 v1(208.604,35.825)
BP_IO.LVDS4_N: J84.I4 R18.1 | length 71.6
  TOP w0.127: R18.1@202.48,36.05 202.867,36.437 202.867,36.487 203.04,36.66 203.911,36.66 203.937,36.634 204.13,36.634 v1(204.13,36.473)
  BOT w0.127: J84.I4@203.319,4.95 203.447,4.95 203.829,5.332 203.829,5.437 203.448,5.818 197.842,5.818 196.601,7.059 196.601,11.716 198.164,13.279 199.605,13.279 201.08,14.754 201.08,15.3 201.08,15.503 ccw(c200.636,15.503) 200.636,15.948 200.586,15.948 cw(c200.586,16.672) 200.586,17.396 201.993,17.396 ccw(c201.993,17.84) 201.993,18.285 200.586,18.285 cw(c200.586,19.008) 200.586,19.732 201.993,19.732 ccw(c201.993,20.177) 201.993,20.621 200.586,20.621 cw(c200.586,21.345) 200.586,22.069 201.993,22.069 ccw(c201.993,22.514) 201.993,22.958 200.586,22.958 cw(c200.586,23.682) 200.586,24.406 201.993,24.406 ccw(c201.993,24.85) 201.993,25.295 200.586,25.295 cw(c200.586,26.019) 200.586,26.743 201.993,26.743 ccw(c201.993,27.187) 201.993,27.632 200.586,27.632 cw(c200.586,28.356) 200.586,29.08 201.993,29.08 ccw(c201.993,29.524) 201.993,29.969 201.804,29.969 cw(c201.804,30.692) 201.08,30.692 201.08,32.061 201.08,32.525 203.405,34.85 205.1,34.85 205.625,35.375 205.625,36.075 205.053,36.647 204.391,36.647 204.217,36.473 v1(204.13,36.473)
BP_IO.LVDS4_P: J84.H4 R17.1 | length 72
  TOP w0.127: R17.1@202.48,37.55 202.867,37.163 202.867,37.139 203.065,36.94 203.97,36.94 v1(204.13,37.1)
  BOT w0.127: v1(204.13,37.1) 204.217,37.1 204.391,36.926 205.169,36.926 205.904,36.191 205.904,35.259 205.216,34.571 203.521,34.571 201.359,32.409 201.359,32.061 201.359,30.692 ccw(c201.804,30.692) 201.804,30.248 201.993,30.248 cw(c201.993,29.524) 201.993,28.8 200.586,28.8 ccw(c200.586,28.356) 200.586,27.911 201.993,27.911 cw(c201.993,27.187) 201.993,26.463 200.586,26.463 ccw(c200.586,26.019) 200.586,25.574 201.993,25.574 cw(c201.993,24.85) 201.993,24.127 200.586,24.127 ccw(c200.586,23.682) 200.586,23.238 201.993,23.238 cw(c201.993,22.514) 201.993,21.79 200.586,21.79 ccw(c200.586,21.345) 200.586,20.901 201.993,20.901 cw(c201.993,20.177) 201.993,19.453 200.586,19.453 ccw(c200.586,19.008) 200.586,18.564 201.993,18.564 cw(c201.993,17.84) 201.993,17.116 200.586,17.116 ccw(c200.586,16.672) 200.586,16.227 200.636,16.227 cw(c200.636,15.503) 201.359,15.503 201.359,15.3 201.359,14.639 199.721,13 198.28,13 196.88,11.6 196.88,7.175 197.958,6.097 203.564,6.097 204.108,5.553 204.108,5.332 204.49,4.95 J84.H4@204.719,4.95
BP_IO.LVDS5_N: J84.K5 R20.1 | length 74.3
  TOP w0.127: J84.K5@200.419,6.95 200.579,6.95 200.979,7.35 200.979,7.675 200.859,7.796 197.489,7.796 196.68,8.605 196.68,11.445 196.907,11.673 197.689,12.454 206.739,12.454 210.526,16.241 210.526,17.5 210.526,18.872 cw(c211.25,18.872) 211.25,19.596 212.166,19.596 ccw(c212.166,20.04) 212.166,20.485 210.088,20.485 cw(c210.088,21.208) 210.088,21.932 212.166,21.932 ccw(c212.166,22.377) 212.166,22.821 210.088,22.821 cw(c210.088,23.545) 210.088,24.269 212.166,24.269 ccw(c212.166,24.714) 212.166,25.158 210.088,25.158 cw(c210.088,25.882) 210.088,26.606 212.166,26.606 ccw(c212.166,27.05) 212.166,27.495 210.088,27.495 cw(c210.088,28.219) 210.088,28.943 211.996,28.943 ccw(c211.996,29.387) 211.996,29.832 211.25,29.832 cw(c211.25,30.556) 210.526,30.556 210.526,32.27 210.526,32.949 210.225,33.25 203.037,33.25 202.867,33.079 202.867,33.037 R20.1@202.48,32.65
BP_IO.LVDS5_P: J84.J5 R19.1 | length 74.8
  TOP w0.127: J84.J5@201.819,6.95 201.659,6.95 201.259,7.35 201.259,7.791 200.974,8.075 197.605,8.075 196.959,8.721 196.959,11.329 197.805,12.175 206.855,12.175 210.805,16.125 210.805,17.5 210.805,18.872 cw(c211.25,18.872) 211.25,19.316 212.166,19.316 ccw(c212.166,20.04) 212.166,20.764 210.088,20.764 cw(c210.088,21.208) 210.088,21.653 212.166,21.653 ccw(c212.166,22.377) 212.166,23.101 210.088,23.101 cw(c210.088,23.545) 210.088,23.99 212.166,23.99 ccw(c212.166,24.714) 212.166,25.438 210.088,25.438 cw(c210.088,25.882) 210.088,26.327 212.166,26.327 ccw(c212.166,27.05) 212.166,27.774 210.088,27.774 cw(c210.088,28.219) 210.088,28.663 211.996,28.663 ccw(c211.996,29.387) 211.996,30.111 211.25,30.111 cw(c211.25,30.556) 210.805,30.556 210.805,32.27 210.805,33.065 210.341,33.529 203.057,33.529 202.867,33.72 202.867,33.764 R19.1@202.48,34.15